# Altium PCB Copy of Delay.PcbDoc (part 1 of 2)
Units mm, origin at the board's own origin, x right, y up, seen from the top; angles counter-clockwise.
Board outline 111 x 75 mm, 4 copper layers (Top Layer, Mid Layer 1, Mid Layer 2, Bottom Layer), stack 1.57 mm thick; 121 components, 112 nets, 448 pads, 80 vias.
Unrouted connection lines stored in the file: 40.
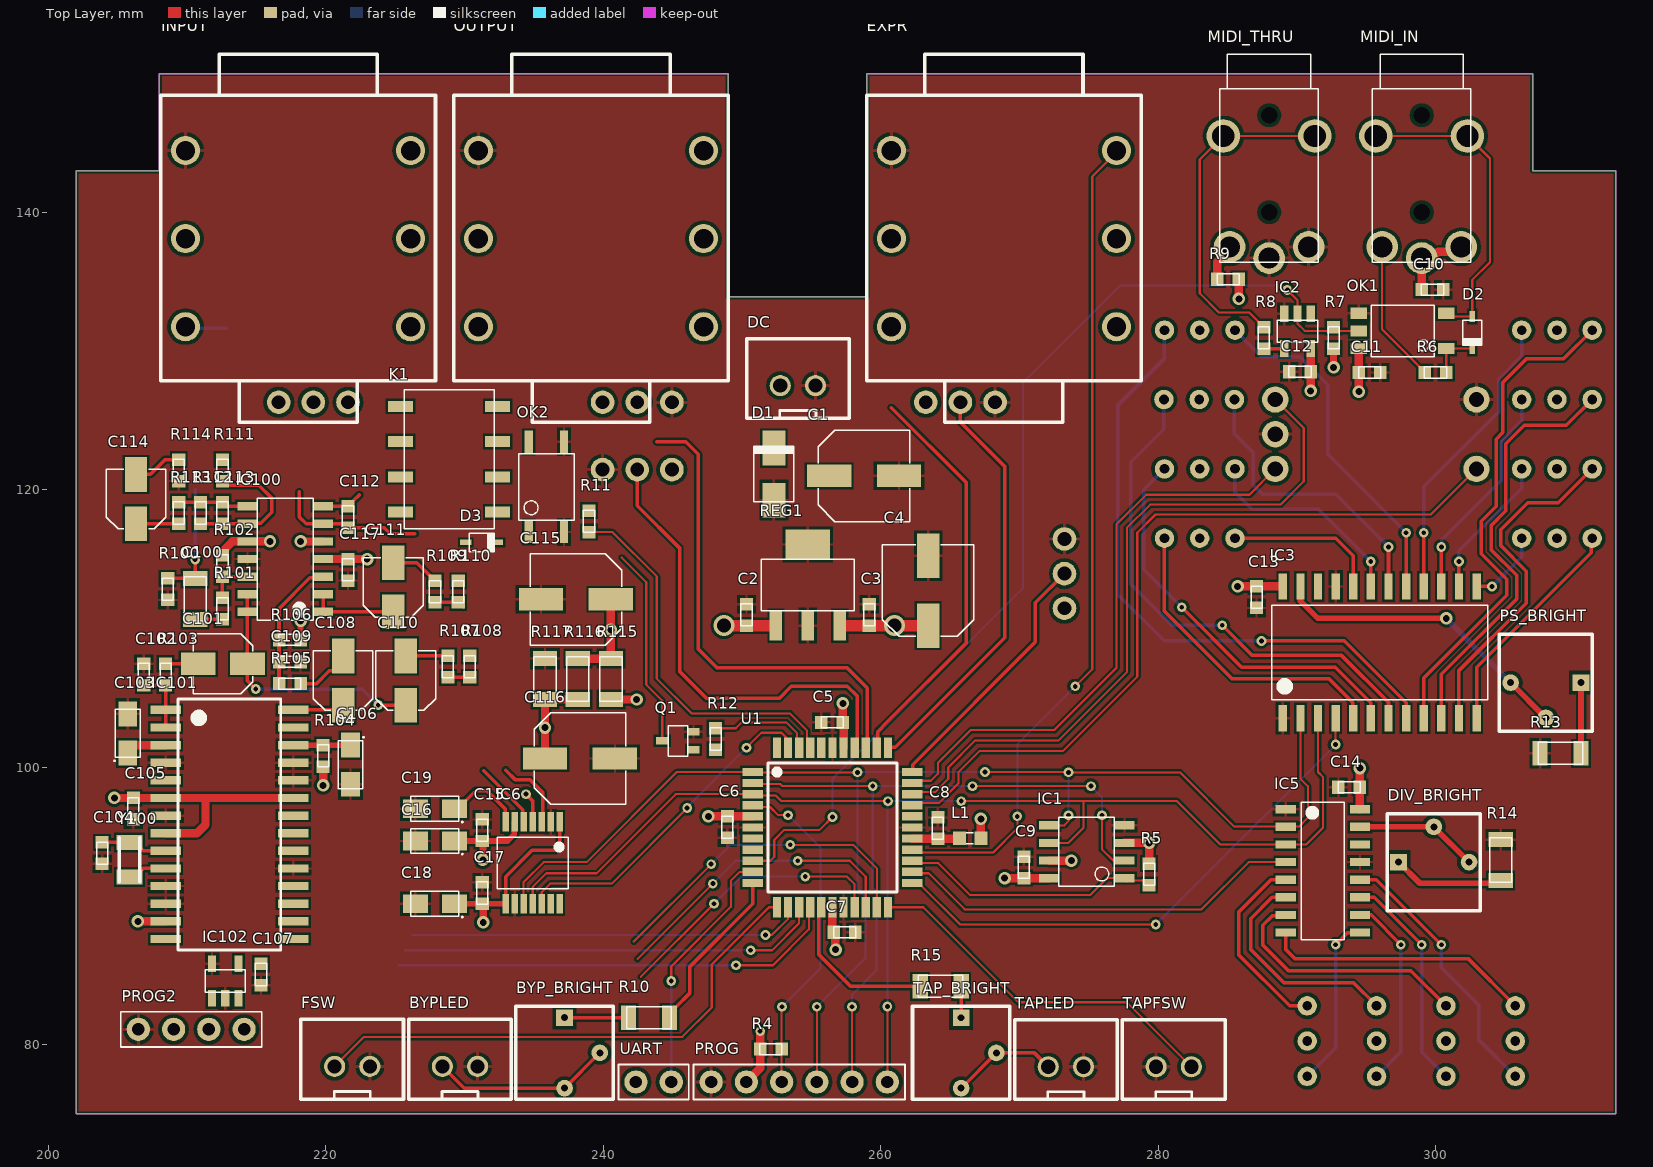
[diagram p0: Top Layer view]
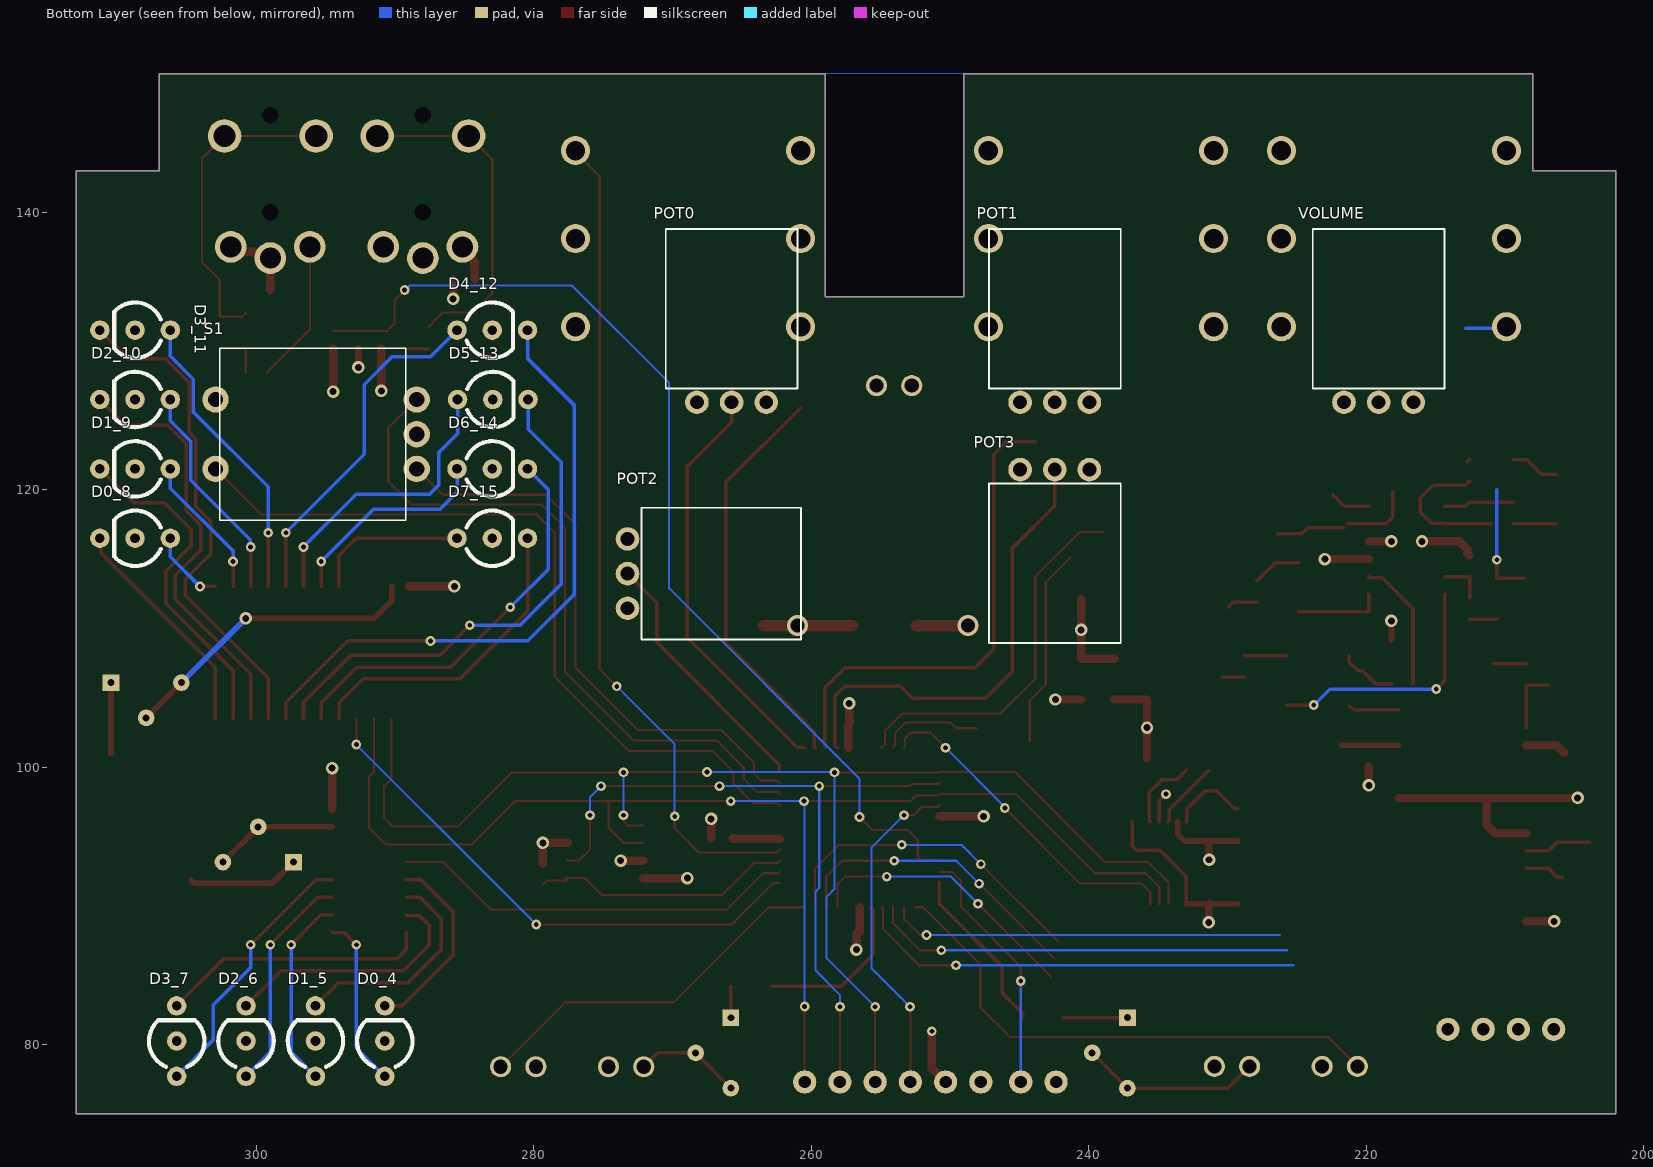
[diagram p1: Bottom Layer view, seen from below]
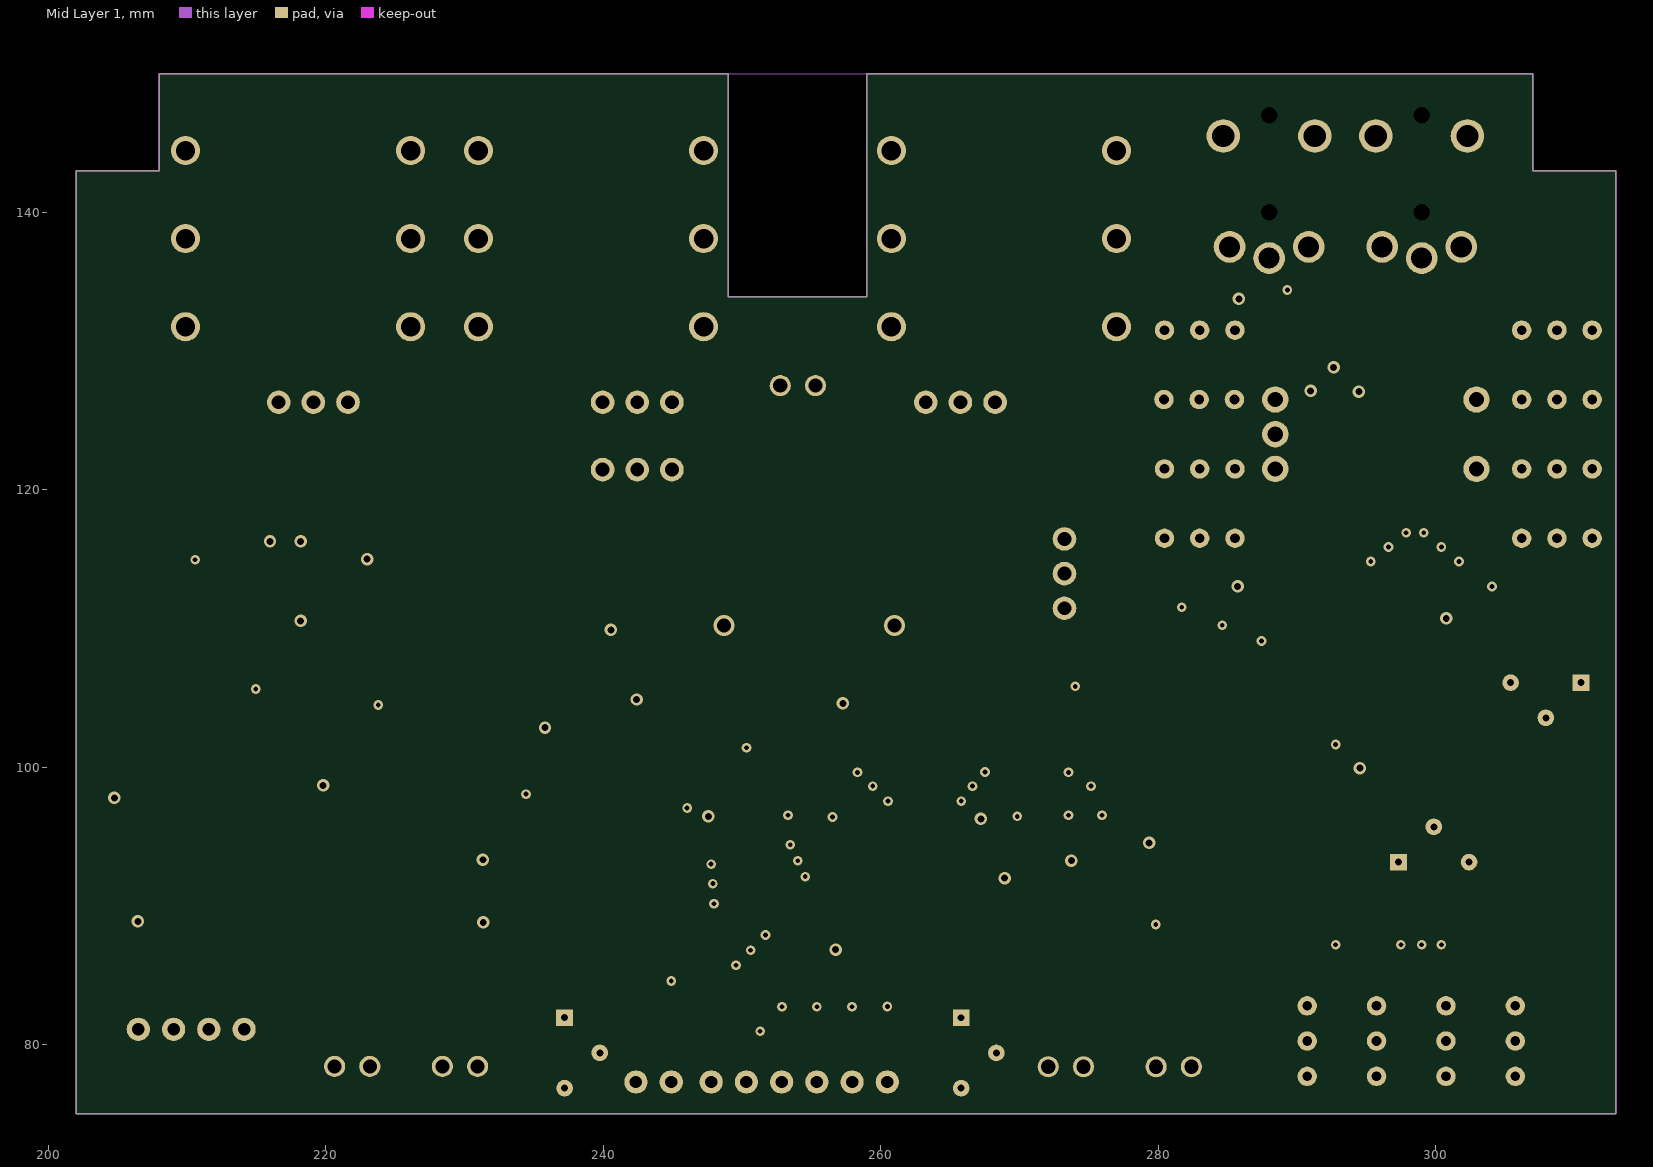
[diagram p2: Mid Layer 1]
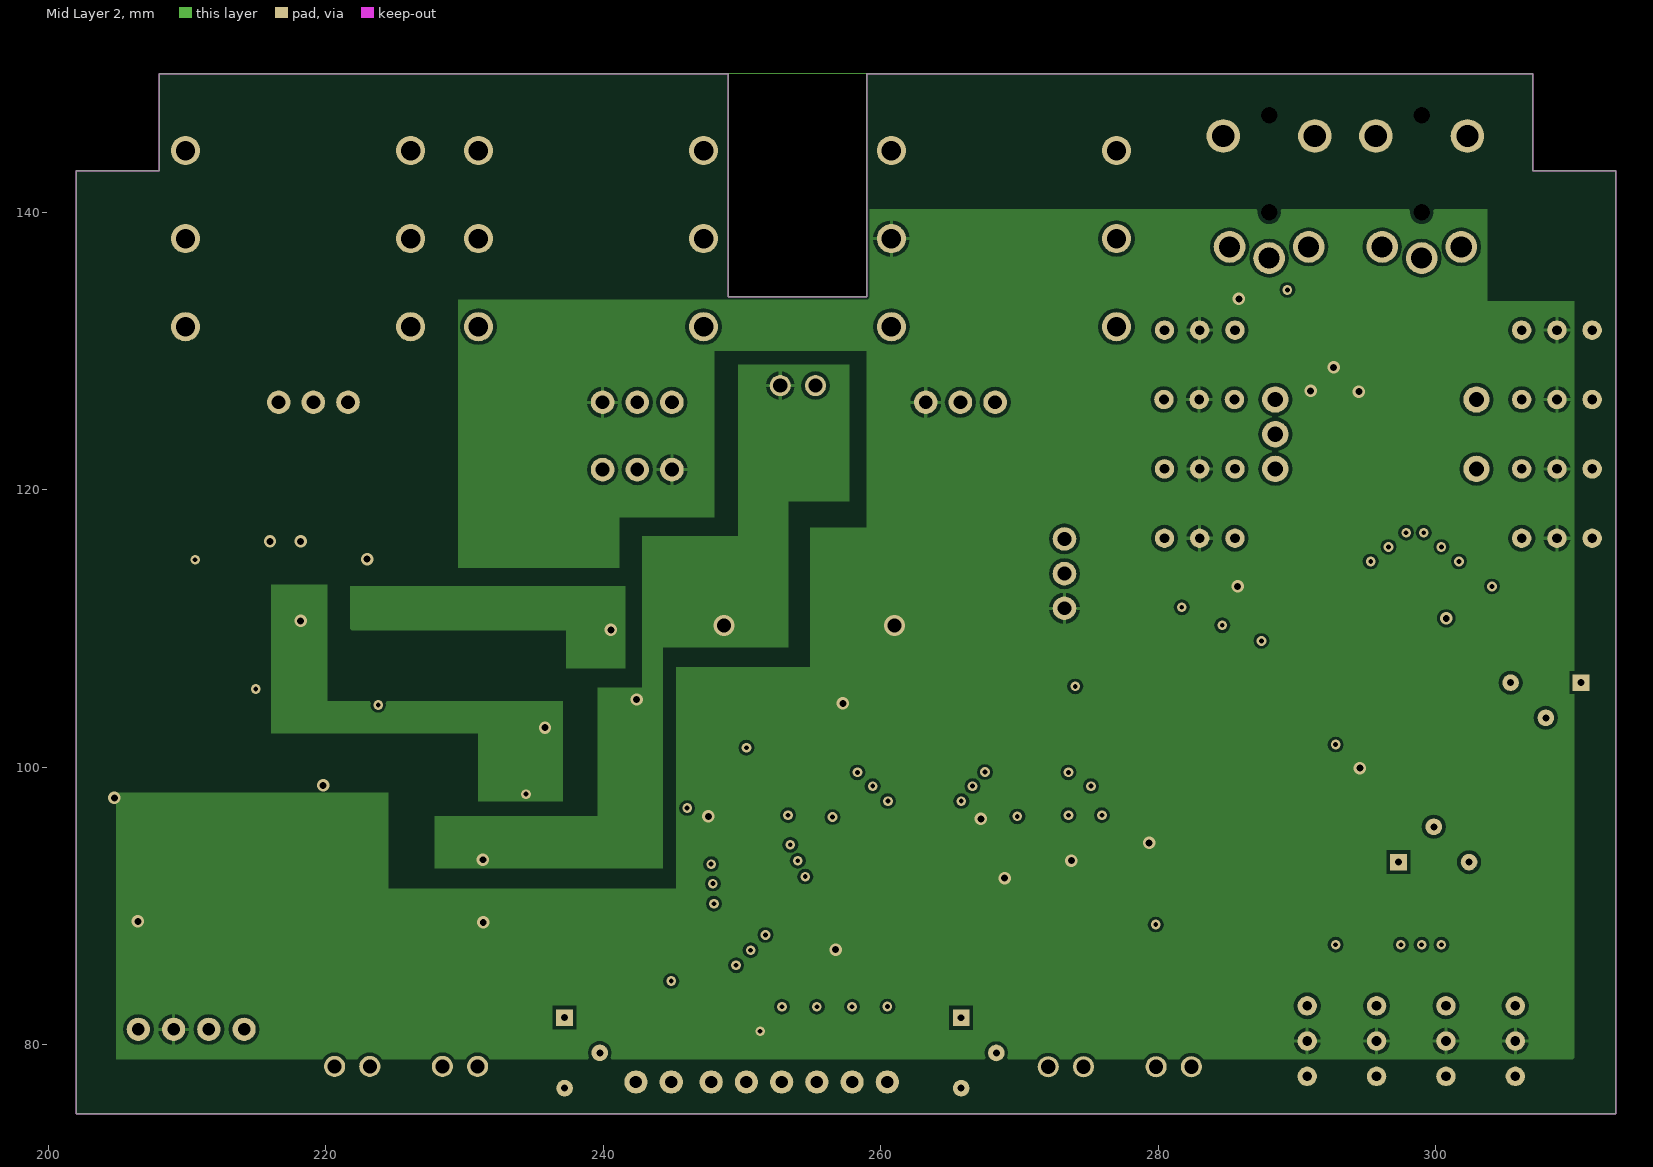
[diagram p3: Mid Layer 2]

## Layer stack, top to bottom
Top Solder: solder mask 0.0127, Solder Resist, Dk 3.8
Top Layer: signal copper 0.035
Dielectric 1: prepreg 0.1, 2313, Dk 4.05
Mid Layer 1: signal copper 0.0175
Core: core 1.265, FR-4, Dk 4.5
Mid Layer 2: signal copper 0.0175
Dielectric 2: prepreg 0.1, 2313, Dk 4.05
Bottom Layer: signal copper 0.035
Bottom Solder: solder mask 0.0127, Solder Resist, Dk 3.8

## Board outline
249,150 249,133.9 258.991,133.9 258.991,150 307,150 307,143 313,143 313,75 202,75 202,143 208,143 208,150

## Design rules (kind name [scope] priority, off if disabled: settings)
BoardOutlineClearance [All] p1: gap=0.2 ignorepadtopadclearanceinfootprint=FALSE
Clearance [All] p1: gap=0.152 ignorepadtopadclearanceinfootprint=FALSE except(0.102: Arc-Text Track-Text SMDPad-Text Fill-Text Poly-Text Region-Text Text-Text; 0.127: Arc-Via Track-Via SMDPad-Via Via-Via Via-Text; 0.203: Via-Fill Via-Poly Via-Region; 0.25: Arc-Hole Track-Hole SMDPad-Hole THPad-Hole Via-Hole Fill-Hole Poly-Hole Region-Hole Text-Hole; 0.254: THPad-Fill THPad-Poly THPad-Region Fill-Fill Fill-Poly Fill-Region Poly-Poly Poly-Region Region-Region)
ComponentClearance [All] p1 off: gap=0.102 collisioncheckmode=3 verticalgap=0.102 showdistances=TRUE
DiffPairsRouting [All] p1: maxlimit=0.102 minlimit=0.102 mostfreqgap=0.102 toplayer_minwidth=0.102 toplayer_maxwidth=1816.048 toplayer_prefwidth=0.102 midlayer1_minwidth=0.102 midlayer1_maxwidth=1816.048 midlayer1_prefwidth=0.102 midlayer2_minwidth=0.102 midlayer2_maxwidth=1816.048 midlayer2_prefwidth=0.102 bottomlayer_minwidth=0.102 bottomlayer_maxwidth=1816.048 bottomlayer_prefwidth=0.102 maxuncoupledlength=12.7
Height [All] p1 off: minheight=0 maxheight=1816.048 prefheight=12.7
HoleSize [All] p1: absolutevalues=TRUE maxlimit=6.3 minlimit=0.2 maxpercent=80.000 minpercent=20.000
HoleToHoleClearance [All] p1: gap=0.25 allowstackedmicrovias=FALSE
MinimumAnnularRing [All] p1: minimumring=0.076
MinimumSolderMaskSliver [All] p1: minsoldermaskwidth=0
PlaneClearance [All] p1: clearance=0.254
PlaneConnect PlaneConnectPowerPads [InPadClass('PowerPads')] p1: planeconnectstyle=Direct reliefexpansion=0.508 reliefentries=4 reliefconductorwidth=0.254 reliefairgap=0.254
PlaneConnect [All] p2: pad.planeconnectstyle=Relief pad.reliefexpansion=0.3 pad.reliefentries=4 pad.reliefconductorwidth=0.254 pad.reliefairgap=0.254 via.planeconnectstyle=Direct via.reliefexpansion=0.3 via.reliefentries=4 via.reliefconductorwidth=0.127 via.reliefairgap=0.127
PolygonConnect PolygonConnectPowerPads [All vs (InPadClass('PowerPads'))] p1: connectstyle=Direct reliefconductorwidth=0.254 reliefentries=4 polygonreliefangle="90 Angle" airgapwidth=0.254
PolygonConnect [All] p2: thpad.connectstyle=Relief thpad.reliefconductorwidth=0.254 thpad.reliefentries=4 thpad.polygonreliefangle="90 Angle" thpad.airgapwidth=0.254 smdpad.connectstyle=Relief smdpad.reliefconductorwidth=0.203 smdpad.reliefentries=4 smdpad.polygonreliefangle="90 Angle" smdpad.airgapwidth=0.203 via.connectstyle=Direct via.reliefconductorwidth=0.127 via.reliefentries=4 via.polygonreliefangle="90 Angle" via.airgapwidth=0.127
RoutingVias [All] p1: holewidth=0.2 width=0.45 viastyle="Through Hole" minholewidth=0.2 minwidth=0.45 maxholewidth=6.3 maxwidth=6.55
SilkToSilkClearance [All] p1: silktosilkclearance=0
SilkToSolderMaskClearance [IsPad] p1: minsilkscreentomaskgap=0.102 clearancetoexposedcopper=TRUE
SolderMaskExpansion [All] p1: expansion=0.075 istentingtop=FALSE
Width [All] p1: maxlimit=1816.048 minlimit=0.102 preferedwidth=0.102
20 further rules are at their usual default settings.

## Components (designator, comment, footprint, x,y, rotation, side; value= is the part's Value field where it differs from the comment)
BYP_BRIGHT "10kB" BOURNS_3362P 237.21,79.406 r270 top
BYPLED "" JST-XH-02 229.675,78.425 r0 top
C1 "100u" CAPAE_D 258.8,121 r0 top
C2 "100n" CHIP_0603 250.325,110.975 r90 top
C3 "100n" CHIP_0603 259.175,110.975 r90 top
C4 "100u" CAPAE_D 263.425,112.721 r90 top
C5 "100n" CHIP_0603 256.5,103.225 r180 top
C6 "100n" CHIP_0603 248.95,95.675 r270 top
C7 "100n" CHIP_0603 257.4,88.1 r0 top
C8 "100n" CHIP_0603 264.125,95.6 r90 top
C9 "100n" CHIP_0603 270.325,92.775 r270 top
C10 "100n" CHIP_0603 299.775,134.425 r0 top
C11 "100n" CHIP_0603 295.25,128.45 r0 top
C12 "100n" CHIP_0603 290.225,128.5 r0 top
C13 "100n" CHIP_0603 287.1,112.25 r270 top
C14 "100n" CHIP_0603 293.775,98.55 r180 top
C15 "100n" CHIP_0603 231.281,95.45 r90 top
C16 "10u" TAN_1206 227.865,94.675 r180 top
C17 "100n" CHIP_0603 231.281,90.925 r90 top
C18 "10u" TAN_1206 227.865,90.15 r180 top
C19 "1u" TAN_1206 227.865,97 r180 top
C100 "100n" CHIP_1206 210.578,112.125 r90 top
C101 "1u" CAPAE_B 212.578,107.45 r180 top
C102 "2.2n" CHIP_0603 206.875,106.675 r90 top
C103 "10u" TAN_1206 205.725,102.435 r90 top
C104 "15p" CHIP_0603 203.875,93.8 r270 top
C105 "100n" CHIP_0603 206.125,97 r270 top
C106 "10u" TAN_1206 221.775,100.175 r270 top
C107 "100n" CHIP_0603 215.324,85.054 r270 top
C108 "1u" CAPAE_B 221.25,106.244 r90 top
C109 "2.2n" CHIP_0603 217.4,107.6 r0 top
C110 "1u" CAPAE_B 225.759,106.244 r90 top
C111 "1u" CAPAE_B 224.859,112.962 r90 top
C112 "220p" CHIP_0603 221.6,118.035 r270 top
C113 "470p" CHIP_0603 212.55,118.325 r270 top
C114 "1u" CAPAE_B 206.325,119.322 r90 top
C115 "100u" CAPAE_D 238.032,112.1 r180 top
C116 "47u" CAPAE_D 238.321,100.625 r0 top
C117 "100n" CHIP_0603 221.6,114.225 r270 top
D0_4 "LED" LED_3MM_BICOLOR 290.75,80.25 r90 bottom
D0_8 "LED" LED_3MM_BICOLOR 308.75,116.5 r0 bottom
D1 "S1A" DO214 252.3,121.125 r270 top
D1_5 "LED" LED_3MM_BICOLOR 295.75,80.25 r90 bottom
D1_9 "LED" LED_3MM_BICOLOR 308.75,121.5 r0 bottom
D2 "1N4148WS" SOD323 302.65,131.325 r90 top
D2_6 "LED" LED_3MM_BICOLOR 300.75,80.25 r90 bottom
D2_10 "LED" LED_3MM_BICOLOR 308.75,126.5 r0 bottom
D3 "1N4148WS" SOD323 231.236,116.2 r180 top
D3_7 "LED" LED_3MM_BICOLOR 305.75,80.25 r90 bottom
D3_11 "LED" LED_3MM_BICOLOR 308.75,131.5 r0 bottom
D4_12 "LED" LED_3MM_BICOLOR 283,131.5 r180 bottom
D5_13 "LED" LED_3MM_BICOLOR 282.96,126.5 r180 bottom
D6_14 "LED" LED_3MM_BICOLOR 283,121.5 r180 bottom
D7_15 "LED" LED_3MM_BICOLOR 283,116.5 r180 bottom
DC "J_JST-XH-02" JST-XH-02 254.03,127.5 r0 top
DIV_BRIGHT "10kB" BOURNS_3362P 299.869,93.155 r0 top
EXPR "J_STEREO" STEREO 268.885,138.1 r90 top
FSW "" JST-XH-02 221.9,78.425 r0 top
IC1 "M95256" SO-8 274.85,93.9 r180 top
IC2 "SN74LVC1G17" SOT-23-5 290.05,131.425 r270 top
IC3 "STP16CPC26" SO-24 295.975,108.275 r90 top
IC5 "STP08CP05" SO-16 291.875,92.52 r0 top
IC6 "AD5293" TSSOP-14 234.914,93.1 r270 top
IC100 "TL074" SO-14 217.075,115 r180 top
IC101 "FV-1" SO-28 213.215,96.393 r0 top
IC102 "24LC32A" SOT-23-5 212.749,84.579 r90 top
INPUT "J_STEREO" STEREO 218,138.1 r90 top
K1 "G6K" G6K 229,122.2 r180 top
L1 "10uH" INDC1608X10 266.437,94.875 r0 top
MIDI_IN "J_STEREO_3.5" STEREO_3.5 299,143.1 r0 top
MIDI_THRU "J_STEREO_3.5" STEREO_3.5 288,143.1 r0 top
OK1 "TLP2361" TLP2361 297.625,131.45 r180 top
OK2 "TLP175A" TLP175A 235.9,120.2 r90 top
OUTPUT "J_STEREO" STEREO 239.115,138.1 r90 top
POT0 "10kB" ALPHA_9MM_TOP_NOMH 270.5,127.3 r180 bottom
POT1 "10kB" ALPHA_9MM_TOP_NOMH 247.2,127.3 r180 bottom
POT2 "10kB" ALPHA_9MM_TOP_NOMH 272.25,118.7 r270 bottom
POT3 "10kB" ALPHA_9MM_TOP_NOMH 237.7,120.45 r0 bottom
PROG "J_HEADER_6PINS_FEM" HEADER_6Pins_FEM 254.13,77.3 r180 top
PROG2 "J_HEADER_4PINS_FEM" HEADER_4Pins_FEM 207.755,81.096 r0 top
PS_BRIGHT "10kB" BOURNS_3362P 307.956,106.09 r180 top
Q1 "MBT2222A" SOT323 245.375,101.9 r180 top
R4 "10k" CHIP_R_0603 252.085,79.675 r180 top
R5 "100k" CHIP_R_0603 279.35,92.275 r90 top
R6 "220R" CHIP_R_0603 300,128.45 r0 top
R7 "1k" CHIP_R_0603 292.65,130.95 r90 top
R8 "10R" CHIP_R_0603 287.625,130.95 r90 top
R9 "33R" CHIP_R_0603 285.05,135.175 r0 top
R10 "220R" CHIP_R_1206 243.3,81.94 r180 top
R11 "1k" CHIP_R_0603 238.975,117.725 r90 top
R12 "10k" CHIP_R_0603 248.1,102.025 r270 top
R13 "220R" CHIP_R_1206 309.015,101 r0 top
R14 "220R" CHIP_R_1206 304.7,93.3 r270 top
R15 "220R" CHIP_R_1206 264.325,84.2 r0 top
R100 "2.2M" CHIP_R_0603 208.6,112.825 r90 top
R101 "1k" CHIP_R_0603 212.55,111.425 r90 top
R102 "2.2M" CHIP_R_0603 212.55,114.505 r90 top
R103 "1k" CHIP_R_0603 208.45,106.675 r270 top
R104 "100R" CHIP_R_0603 219.8,100.81 r270 top
R105 "1k" CHIP_R_0603 217.4,106.025 r180 top
R106 "1M" CHIP_R_0603 217.4,109.175 r0 top
R107 "15k" CHIP_R_0603 228.8,107.24 r270 top
R108 "15k" CHIP_R_0603 230.375,107.24 r90 top
R109 "15k" CHIP_R_0603 227.874,112.65 r270 top
R110 "15k" CHIP_R_0603 229.55,112.65 r90 top
R111 "15k" CHIP_R_0603 212.55,121.4 r270 top
R112 "15k" CHIP_R_0603 210.975,118.325 r90 top
R113 "100R" CHIP_R_0603 209.4,118.325 r270 top
R114 "100k" CHIP_R_0603 209.4,121.4 r90 top
R115 "47R" CHIP_R_1206 240.554,106.35 r90 top
R116 "47k" CHIP_R_1206 238.17,106.35 r270 top
R117 "47k" CHIP_R_1206 235.8,106.35 r270 top
REG1 "78M33" SOT223 254.75,113.125 r90 top
S1 "EC11" ALPHA_EC11 295.95,124 r90 bottom
TAP_BRIGHT "10kB" BOURNS_3362P 265.8,79.4 r270 top
TAPFSW "" JST-XH-02 281.125,78.4 r0 top
TAPLED "" JST-XH-02 273.35,78.4 r0 top
U1 "ATMEGA1284" TQFP44 256.525,95.65 r0 top
UART "J_HEADER_2PINS_FEM" HEADER_2Pins_FEM 243.63,77.3 r0 top
VOLUME "100kB" ALPHA_9MM_TOP_NOMH 223.85,127.3 r180 bottom
Y100 "ABS07" ABS-07 205.85,93.325 r270 top

## Footprints (in the part's own frame and the unit in brackets; to place one, negate y for a bottom-side part, rotate by r counter-clockwise, add the part's x,y. Pads: shape width x height; smd on the part's side, far side on the other; paste and mask are expansions set on the pad)
ABS-07 [mm]
  rect 1.1x1.9 smd: 1(-1.25,0) 2(1.25,0)
  silkscreen extent -1.6,-0.75 1.6,0.75, body extent -1.61,-0.76 1.61,0.76, height 0.91
ALPHA_9MM_TOP_NOMH [mm]
  round 1.7 hole 1: 1(2.25,-1) 2(4.75,-1) 3(7.25,-1)
  silkscreen extent 0,0 9.5,11.5, body extent -1.02,-0.99 10.51,11.36, height 30.04
ALPHA_EC11 [mm]
  round 1.9 hole 1.1: 1(-2.5,-7.5) 2(0,-7.5) 3(2.5,-7.5) 4(-2.5,7) 5(2.5,7)
  silkscreen extent -6.2,-6.7 6.2,6.7, body extent -6.55,-7.73 6.55,7.4, height 31.6
BOURNS_3362P [mm]
  rect 1.2x1.2 hole 0.5: 1(-2.534,0)
  round 1.2 hole 0.5: 2(0.006,2.54) 3(2.546,0)
  silkscreen extent -3.35,-3.51 3.35,3.49, body extent -3.35,-3.53 3.35,3.51, height 4.88
CAPAE_B [mm] "Aluminum Electrolytic Capacitor, Body 4.30x4.30x5.40mm, IPC Low Density"
  rect 2.5x1.6 smd: +(-1.772,0) -(1.772,0)
  silkscreen extent -2.15,-2.15 2.15,2.15, body extent -2.3,-2.14 2.3,2.16, height 5.41
CAPAE_D [mm] "Aluminum Electrolytic Capacitor, Body 6.60x6.60x5.40mm, IPC Low Density"
  rect 3.2x1.6 smd: +(-2.521,0) -(2.521,0)
  silkscreen extent -3.3,-3.3 3.3,3.3, body extent -3.53,-3.3 3.47,3.3, height 5.41
CHIP_0603 [mm] "Chip Capacitor, 2-Leads, Body 1.60x0.80mm, IPC Medium Density"
  rect 0.9x0.95 smd: 1(-0.775,0) 2(0.775,0)
  silkscreen extent -0.8,-0.4 0.8,0.4, body extent -0.75,-0.4 0.75,0.4, height 0.65
CHIP_1206 [mm] "Chip Capacitor, 2-Leads, Body 3.20x1.60mm, IPC Medium Density"
  rect 1.1x1.75 smd: 1(-1.475,0) 2(1.475,0)
  silkscreen extent -1.6,-0.8 1.6,0.8, body extent -1.6,-0.8 1.6,0.8, height 1.05
CHIP_R_0603 [mm] "Chip Resistor, 2-Leads, Body 1.60x0.80mm, IPC Medium Density"
  rect 0.9x0.95 smd: 1(-0.775,0) 2(0.775,0)
  silkscreen extent -0.8,-0.4 0.8,0.4, body extent -0.75,-0.4 0.75,0.4, height 0.63
CHIP_R_1206 [mm] "Chip Resistor 2-Leads, Body 3.20x1.60mm, IPC Medium Density"
  rect 1.1x1.75 smd: 1(-1.475,0) 2(1.475,0)
  silkscreen extent -1.6,-0.8 1.6,0.8, body extent -1.65,-0.8 1.65,0.8, height 0.76
DO214 [mm] "Molded Diode, 2-Leads, Body 4.30x2.63mm, IPC Medium Density"
  rect 2.5x1.65 smd: 1(-1.875,0) 2(1.875,0)
  silkscreen extent -2,-1.45 2,1.45, body extent -2.6,-1.3 2.6,1.3, height 2.4
G6K [mm]
  rect 1.8x0.8 smd: 1(-3.386,3.81) 2(-3.386,1.27) 3(-3.386,-1.27) 4(-3.386,-3.81) 5(3.614,-3.81) 6(3.614,-1.27) 7(3.614,1.27) 8(3.614,3.81)
  silkscreen extent -3.15,-5 3.35,5, body extent -3.8,-5 4,5, height 5.2
HEADER_2Pins_FEM [mil]
  round 66 hole 35.43: 1(50,0) 2(-50,0)
  silkscreen extent -100,-50 100,50, body extent -100,-50 100,50, height 237
HEADER_4Pins_FEM [mil]
  round 66 hole 35.43: 1(-50,0) 2(50,0) 3(150,0) 4(250,0)
  silkscreen extent -100,-50 300,50, body extent -100,-50 300,50, height 237
HEADER_6Pins_FEM [mil]
  round 66 hole 35.43: 1(-250,0) 2(-150,0) 3(-50,0) 4(50,0) 5(150,0) 6(250,0)
  silkscreen extent -300,-50 300,50, body extent -300,-50 300,50, height 237
INDC1608X10 [mm] "Chip Inductor, 2-Leads, Body 1.60x0.80mm, IPC Medium Density"
  rect 0.92x0.98 smd: 1(-0.762,0) 2(0.79,0)
  silkscreen extent -0.25,-0.38 0.25,0.38, body extent -0.77,-0.4 0.83,0.4, height 1
JST-XH-02 [mil]
  round 60 hole 40: 1(-50,0) 2(50,0)
  silkscreen extent -146,-93 146,134, body extent -146,-95 146,131, height 276
LED_3MM_BICOLOR [mm]
  round 1.4 hole 0.7: 1(2.54,0) 2(0,0) 3(-2.54,0)
  silkscreen extent -1.85,-2 1.5,2, body extent -2.89,-2 2.89,1.7, height 13.5
SO-8 [mm] "SOIC, 8-Leads, Body 4.90x3.90mm, Pitch 1.27mm, IPC Medium Density"
  rect 1.45x0.6 smd: 1(-2.725,1.905) 2(-2.725,0.635) 3(-2.725,-0.635) 4(-2.725,-1.905) 5(2.725,-1.905) 6(2.725,-0.635) 7(2.725,0.635) 8(2.725,1.905)
  silkscreen extent -2,-2.5 2,2.5, body extent -3.02,-2.45 2.98,2.45, height 1.75
SO-14 [mm] "SOIC, 14-Leads, Body 8.65x3.90mm, Pitch 1.27mm, IPC Medium Density"
  rect 1.45x0.6 smd: 1(-2.725,3.81) 2(-2.725,2.54) 3(-2.725,1.27) 4(-2.725,0) 5(-2.725,-1.27) 6(-2.725,-2.54) 7(-2.725,-3.81) 8(2.725,-3.81) 9(2.725,-2.54) 10(2.725,-1.27) 11(2.725,0) 12(2.725,1.27) 13(2.725,2.54) 14(2.725,3.81)
  silkscreen extent -2.03,-4.4 2.03,4.4, body extent -3,-4.34 3,4.35, height 1.6
SO-16 [mm] "SOIC, 16-Leads, Body 9.85x3.85mm, Pitch 1.27mm, IPC Medium Density"
  rect 1.45x0.6 smd: 1(-2.675,4.445) 2(-2.675,3.175) 3(-2.675,1.905) 4(-2.675,0.635) 5(-2.675,-0.635) 6(-2.675,-1.905) 7(-2.675,-3.175) 8(-2.675,-4.445) 9(2.675,-4.445) 10(2.675,-3.175) 11(2.675,-1.905) 12(2.675,-0.635) 13(2.675,0.635) 14(2.675,1.905) 15(2.675,3.175) 16(2.675,4.445)
  silkscreen extent -1.55,-4.95 1.55,4.95, body extent -3.07,-4.98 3.07,4.99, height 1.73
SO-24 [mm] "SOIC, 24-Leads, Body 15.40x7.50mm, Pitch 1.27mm, IPC Medium Density"
  rect 1.9x0.6 smd: 1(-4.75,6.985) 2(-4.75,5.715) 3(-4.75,4.445) 4(-4.75,3.175) 5(-4.75,1.905) 6(-4.75,0.635) 7(-4.75,-0.635) 8(-4.75,-1.905) 9(-4.75,-3.175) 10(-4.75,-4.445) 11(-4.75,-5.715) 12(-4.75,-6.985) 13(4.75,-6.985) 14(4.75,-5.715) 15(4.75,-4.445) 16(4.75,-3.175) 17(4.75,-1.905) 18(4.75,-0.635) 19(4.75,0.635) 20(4.75,1.905) 21(4.75,3.175) 22(4.75,4.445) 23(4.75,5.715) 24(4.75,6.985)
  silkscreen extent -3.4,-7.8 3.4,7.8, body extent -5.2,-7.83 5.2,7.57, height 2.6
SO-28 [mm]
  rect 2.2x0.6 smd: 1(-4.765,7.732) 2(-4.765,6.462) 3(-4.765,5.192) 4(-4.765,3.922) 5(-4.765,2.652) 6(-4.765,1.382) 7(-4.765,0.112) 8(-4.765,-1.158) 9(-4.765,-2.428) 10(-4.765,-3.698) 11(-4.765,-4.968) 12(-4.765,-6.238) 13(-4.765,-7.508) 14(-4.765,-8.778) 15(4.435,-8.778) 16(4.435,-7.508) 17(4.435,-6.238) 18(4.435,-4.968) 19(4.435,-3.698) 20(4.435,-2.428) 21(4.435,-1.158) 22(4.435,0.112) 23(4.435,1.382) 24(4.435,2.652) 25(4.435,3.922) 26(4.435,5.192) 27(4.435,6.462) 28(4.435,7.732)
  silkscreen extent -3.86,-9.57 3.54,8.53, body extent -5.38,-9.46 4.92,8.44, height 2.65
SOD323 [mm] "SODFL, 2-Leads, Body 1.25x2.50mm, IPC Medium Density"
  rect 0.8x0.4 smd: 1(-1.15,0) 2(1.15,0)
  silkscreen extent -0.9,-0.68 0.9,0.67, body extent -1.4,-0.68 1.3,0.67, height 0.79
SOT223 [mm] "SOT223, 4-Leads, Body 6.50x7.00mm (avg), Pitch 2.30mm, IPC Medium Density"
  rect 2.15x0.9 smd: 1(-2.925,2.3) 2(-2.925,0) 3(-2.925,-2.3)
  rect 2.15x3.2 smd: 2(2.925,0)
  silkscreen extent -1.85,-3.35 1.85,3.35, body extent -3.5,-3.25 3.5,3.25, height 1.59
SOT323 [mm] "SOT23, 3-Leads, Body 2.00x2.20mm, Pitch 0.65mm, IPC Medium Density"
  rect 0.9x0.55 smd: 1(-1.125,0.65) 2(-1.125,-0.65) 3(1.125,0)
  silkscreen extent -0.7,-1.1 0.67,1.1, body extent -1.15,-1.05 1.15,1.05, height 1
SOT-23-5 [mm]
  rect 1.2x0.6 smd: 1(-1.25,0.95) 2(-1.25,0) 3(-1.25,-0.95) 4(1.25,-0.95) 5(1.25,0.95)
  silkscreen extent -0.8,-1.45 0.8,1.45, body extent -1.4,-1.45 1.4,1.45, height 1.45
STEREO [mm]
  round 2.1 hole 1.4: R(0,8.115) RN(0,-8.115) S(6.35,8.115) SN(6.35,-8.115) T(-6.35,8.115) TN(-6.35,-8.115)
  silkscreen extent -13.25,-9.91 13.3,9.91, body extent -14.28,-9.97 14.28,10.03, height 15.5
STEREO_3.5 [mm]
  round 2.285 hole 1.523: R(-2.85,-5.6) S(0,-6.4) S(2.85,-5.6)
  round 2.419 hole 1.613: T(-3.3,2.4) T(3.3,2.4)
  round 0.55 hole 1.2 unplated: ""(0,-3.1) ""(0,3.9)
  silkscreen extent -3.55,-6.7 3.55,8.3, body extent -3.5,-6.31 3.5,8.32, height 6
TAN_1206 [mm] "Chip Capacitor, 2-Leads, Body 3.20x1.60mm, IPC Medium Density"
  rect 1.8x1.35 smd: +(-1.41,0) -(1.41,0)
  silkscreen extent -2.02,-0.89 1.73,1, body extent -1.7,-0.9 1.7,0.9, height 1.8
TLP175A [mm] "SOP, 4-Leads, Body 3.75x4.60mm, Pitch 2.54mm, IPC Medium Density"
  rect 1.6x0.6 smd: 1(-3.25,1.27) 3(-3.25,-1.27) 4(3.25,-1.27) 6(3.25,1.27)
  silkscreen extent -2.4,-2 2.4,2, body extent -3.43,-2 3.43,2, height 2.02
TLP2361 [mm]
  rect 1.2x0.8 smd: 1(-3.15,1.27) 3(-3.15,-1.27) 4(3.15,-1.27) 5(3.15,0) 6(3.15,1.27)
  silkscreen extent -2.27,-1.85 2.27,1.85, body extent -3.47,-1.85 3.47,1.85, height 2.18
TQFP44 [mm]
  rect 1.5x0.6 smd: 1(-5.75,4) 2(-5.75,3.2) 3(-5.75,2.4) 4(-5.75,1.6) 5(-5.75,0.8) 6(-5.75,0) 7(-5.75,-0.8) 8(-5.75,-1.6) 9(-5.75,-2.4) 10(-5.75,-3.2) 11(-5.75,-4) 23(5.75,-4) 24(5.75,-3.2) 25(5.75,-2.4) 26(5.75,-1.6) 27(5.75,-0.8) 28(5.75,0) 29(5.75,0.8) 30(5.75,1.6) 31(5.75,2.4) 32(5.75,3.2) 33(5.75,4)
  rect 0.6x1.5 smd: 12(-4,-5.75) 13(-3.2,-5.75) 14(-2.4,-5.75) 15(-1.6,-5.75) 16(-0.8,-5.75) 17(0,-5.75) 18(0.8,-5.75) 19(1.6,-5.75) 20(2.4,-5.75) 21(3.2,-5.75) 22(4,-5.75) 34(4,5.75) 35(3.2,5.75) 36(2.4,5.75) 37(1.6,5.75) 38(0.8,5.75) 39(0,5.75) 40(-0.8,5.75) 41(-1.6,5.75) 42(-2.4,5.75) 43(-3.2,5.75) 44(-4,5.75)
  silkscreen extent -4.65,-4.65 4.65,4.65, body extent -6,-6 6,6, height 1.2
TSSOP-14 [mm] "TSOP, 14-Leads, Body 5.00x4.40mm, Pitch 0.65mm, IPC Medium Density"
  rect 1.4x0.45 smd: 1(-2.95,1.95) 2(-2.95,1.3) 3(-2.95,0.65) 4(-2.95,0) 5(-2.95,-0.65) 6(-2.95,-1.3) 7(-2.95,-1.95) 8(2.95,-1.95) 9(2.95,-1.3) 10(2.95,-0.65) 11(2.95,0) 12(2.95,0.65) 13(2.95,1.3) 14(2.95,1.95)
  silkscreen extent -1.85,-2.55 1.85,2.55, body extent -3.2,-2.5 3.2,2.5, height 1.2

## Part data
BYP_BRIGHT DIV_BRIGHT PS_BRIGHT TAP_BRIGHT: library part TRIM_10kB_3362P, "10k Lin 3362P trimmer", Price=0.1
BYPLED FSW TAPFSW TAPLED: library part JST-XH-02, "2 Pins male XH header", Price=0.1
C1 C4 C115: library part MCVVT025M101EA6L, "CAP ALUM 100UF 25V SMD", Capacitance=100uF, Manufacturer=Multicomp, Max Operating Temperature=105°C, Min Operating Temperature=-55°C, Ripple Current (AC)=6.3mA, Supplier Part Number 1=2611370, Voltage Rating=25V, ComponentLink1Description=http://www.farnell.com/datasheets/2151198.pdf?src-supplier=Element14, ComponentLink1URL=http://www.farnell.com/datasheets/2151198.pdf?src-supplier=Element14, Diameter=6.3mm, Height=7.7mm, Life (Hours)=2000Hour, Manufacturer Part Number=MCVVT025M101EA6L, Packaging="Tape and Reel", Price=0.102, Pricing="1=0.157, 50=0.104, 100=0.0932, 250=0.0801, 500=0.0681 (EUR)", REACH SVHC="No SVHC", RoHS=No, Stock=1063, Supplier 1=Farnell, Voltage Rating (DC)=25V
C2 C3 C5 C6 C7 C8 C9 C10 C11 C12 C13 C14 C15 C17 C105 C107 C117: library part MC0603B104K500CT, "CAP CER 100NF 50V X7R 0603", Capacitance=100nF, Case Code (Imperial)=0603, Case Code (Metric)=1608, Dielectric=X7R, Manufacturer=Multicomp, Max Operating Temperature=125°C, Min Operating Temperature=-55°C, Supplier Part Number 1=1759122, Tolerance=10%, Voltage Rating=50V, Case/Package=0603, ComponentLink1Description=https://datasheet.ciiva.com/22686/1901289-22686278.pdf?src-supplier=Element14, ComponentLink1URL=https://datasheet.ciiva.com/22686/1901289-22686278.pdf?src-supplier=Element14, ComponentLink2Description=https://datasheet.ciiva.com/22686/1901289-22686279.pdf?src-supplier=Element14, ComponentLink2URL=https://datasheet.ciiva.com/22686/1901289-22686279.pdf?src-supplier=Element14, ComponentLink3Description=https://datasheet.ciiva.com/22648/1901289-22648411.pdf?src-supplier=Element14, ComponentLink3URL=https://datasheet.ciiva.com/22648/1901289-22648411.pdf?src-supplier=Element14, Manufacturer Part Number=MC0603B104K500CT, Number of Pins=2, Packaging="Cut Tape", Price=0.0458, REACH SVHC=Unknown, RoHS=Yes, Stock 1=1057763, Supplier 1=Farnell, Voltage Rating (DC)=50V
C16 C18 C103 C106: library part T491A106K016AT, "CAP TANT 10UF 16V", Capacitance=10uF, Case Code (Imperial)=1206, Case Code (Metric)=3216, Dielectric Material=Tantalum, ESR (Equivalent Series Resistance)=7R, Leakage Current=1.6uA, Manufacturer=KEMET, Max Operating Temperature=125°C, Min Operating Temperature=-55°C, Package Quantity=1, Ripple Current=104mA, Supplier Part Number 1=1457414, Tolerance=10%, Voltage=16V, Case/Package=1206, Category="Tantalum Capacitors", ComponentLink1Description=https://datasheet.ciiva.com/7696/1732745-7696294.pdf?src-supplier=Element14, ComponentLink1URL=https://datasheet.ciiva.com/7696/1732745-7696294.pdf?src-supplier=Element14, ComponentLink2Description=https://datasheet.ciiva.com/34302/1573257-34302505.pdf?src-supplier=Jameco, ComponentLink2URL=https://datasheet.ciiva.com/34302/1573257-34302505.pdf?src-supplier=Jameco, ComponentLink3Description=https://datasheet.ciiva.com/7696/1854511-7696293.pdf?src-supplier=Element14, ComponentLink3URL=https://datasheet.ciiva.com/7696/1854511-7696293.pdf?src-supplier=Element14, ComponentLink4Description=https://datasheet.ciiva.com/14586/70095774-14586694.pdf?src-supplier=Allied+Electronics, ComponentLink4URL=https://datasheet.ciiva.com/14586/70095774-14586694.pdf?src-supplier=Allied+Electronics, ComponentLink5Description=https://datasheet.ciiva.com/6248/kem-t2005-t491-6248087.pdf?src-supplier=Digi-Key, ComponentLink5URL=https://datasheet.ciiva.com/6248/kem-t2005-t491-6248087.pdf?src-supplier=Digi-Key, ComponentLink6Description=https://datasheet.ciiva.com/6248/kem-t2005-t491-6248088.pdf?src-supplier=Digi-Key, ComponentLink6URL=https://datasheet.ciiva.com/6248/kem-t2005-t491-6248088.pdf?src-supplier=Digi-Key, ComponentLink7Description=https://datasheet.ciiva.com/14113/t491serie-eng-tds-14113132.pdf?src-supplier=Distrelec, ComponentLink7URL=https://datasheet.ciiva.com/14113/t491serie-eng-tds-14113132.pdf?src-supplier=Distrelec, ComponentLink8Description=https://datasheet.ciiva.com/7696/1923792-7696431.pdf?src-supplier=Element14, ComponentLink8URL=https://datasheet.ciiva.com/7696/1923792-7696431.pdf?src-supplier=Element14, ComponentLink9Description=https://datasheet.ciiva.com/7696/1854511-7696295.pdf?src-supplier=Element14, ComponentLink9URL=https://datasheet.ciiva.com/7696/1854511-7696295.pdf?src-supplier=Element14, ComponentLink10Description=https://datasheet.ciiva.com/14605/70095774-14605543.pdf?src-supplier=Allied+Electronics, ComponentLink10URL=https://datasheet.ciiva.com/14605/70095774-14605543.pdf?src-supplier=Allied+Electronics, ComponentLink11Description=https://datasheet.ciiva.com/7696/1446014-7696296.pdf?src-supplier=Element14, ComponentLink11URL=https://datasheet.ciiva.com/7696/1446014-7696296.pdf?src-supplier=Element14, ComponentLink12Description=https://datasheet.ciiva.com/6248/kem-t2005-t491-6248089.pdf?src-supplier=Digi-Key, ComponentLink12URL=https://datasheet.ciiva.com/6248/kem-t2005-t491-6248089.pdf?src-supplier=Digi-Key, ComponentLink13Description=https://datasheet.ciiva.com/12882/kem-t2005-t491-12882730.pdf?src-supplier=Mouser, ComponentLink13URL=https://datasheet.ciiva.com/12882/kem-t2005-t491-12882730.pdf?src-supplier=Mouser, ComponentLink14Description=https://datasheet.ciiva.com/39123/kem-t2005-t491-39123278.pdf?src-supplier=Onlinecomponents.com, ComponentLink14URL=https://datasheet.ciiva.com/39123/kem-t2005-t491-39123278.pdf?src-supplier=Onlinecomponents.com, ComponentLink15Description=https://datasheet.ciiva.com/29244/458306-da-01-de-kondensator-10uf-3216-10pr-16v-85c-29244588.pdf?src-supplier=Conrad, ComponentLink15URL=https://datasheet.ciiva.com/29244/458306-da-01-de-kondensator-10uf-3216-10pr-16v-85c-29244588.pdf?src-supplier=Conrad, Depth=1.6mm, Dissipation Factor=10%, Failure Rate=0.001%, Features="General Purpose", Height=1.6mm, Height - Seated (Max)=0.071inch, Lead Free="Lead Free", Lead Pitch=1.2mm, Length=3.2mm, Life (Hours)=2000Hour, Manufacturer Part Number=T491A106K016AT, Mount="Surface Mount,PCB", Number of Pins=2, Packaging="Tape and Reel", Polarity=Polar, Pricing="5=0.30300, 50=0.16000, 250=0.13300, 500=0.12000, 1000=0.10200 (EUR)", Radiation Hardening=No, REACH SVHC="No SVHC", RoHS=Yes, Stock=36020, Supplier 1=Farnell, Termination=SMD/SMT, Voltage Rating=16V, Voltage Rating (DC)=16V, Width=1.6mm